# KiCad board UCB_board.kicad_pcb (continued)
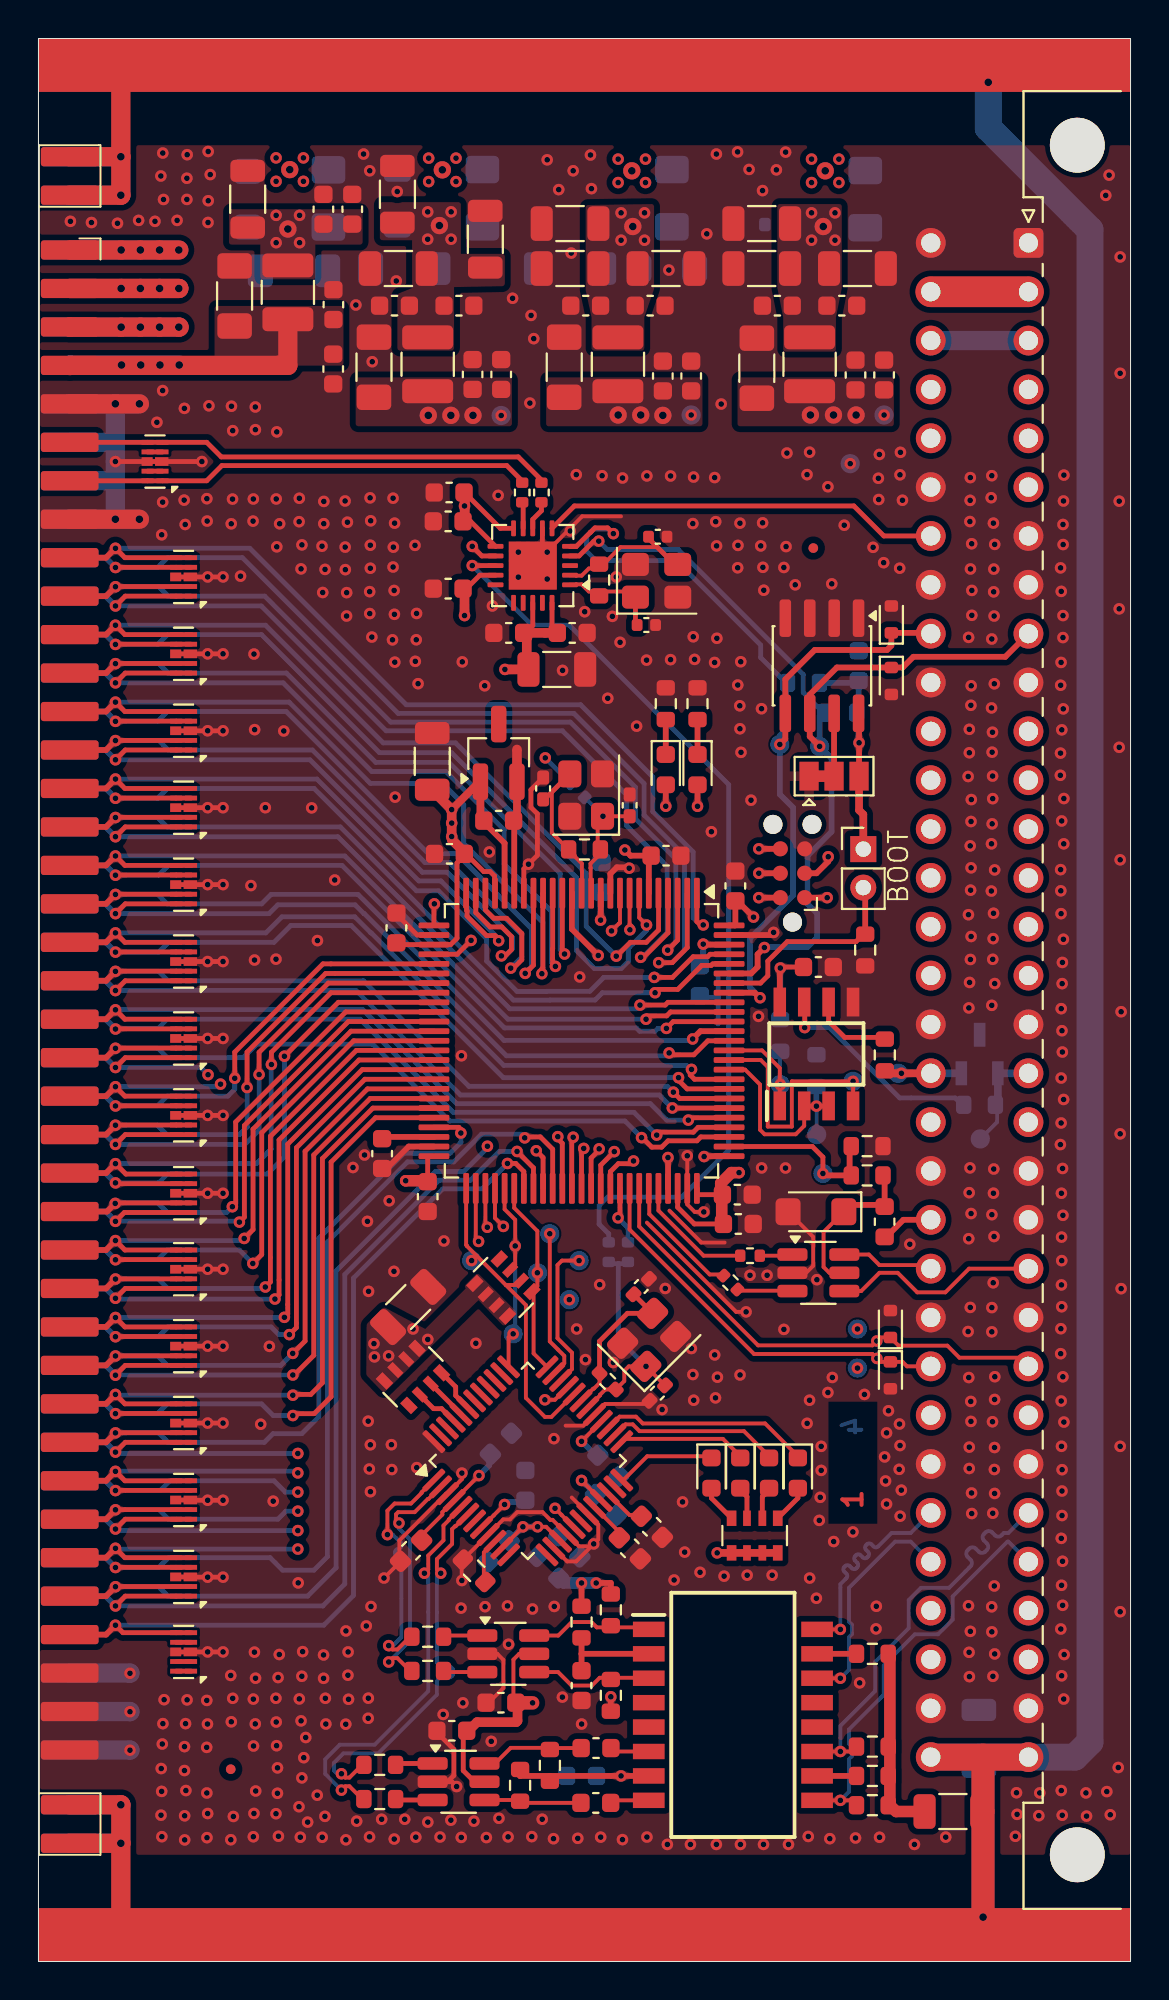
[diagram p0: board, top side]
## Footprints (pads in the part's own frame, mm; a bottom-side part is the same pattern mirrored in y, then rotated)
C_0402_1005Metric
  rrect 0.56x0.62 smd: 1(-0.48,0) 2(0.48,0)
C_0402_1005Metric_Pad0.74x0.62mm_HandSolder
  rrect 0.735x0.62 smd: 1(-0.568,0) 2(0.568,0)
C_0603_1608Metric
  rrect 0.9x0.95 smd: 1(-0.775,0) 2(0.775,0)
C_1206_3216Metric
  rrect 1.15x1.8 smd: 1(-1.475,0) 2(1.475,0)
C_1206_3216Metric_Pad1.33x1.80mm_HandSolder
  rrect 1.325x1.8 smd: 1(-1.562,0) 2(1.562,0)
Crystal_SMD_3225-4Pin_3.2x2.5mm
  rrect 1.4x1.2 smd: 1(-1.1,-0.85) 2(1.1,-0.85) 3(1.1,0.85) 4(-1.1,0.85)
D_MiniMELF
  rrect 1.3x1.7 smd: 1(-1.75,0) 2(1.75,0)
D_SMF
  rrect 1.3x1.4 smd: 1(-1.45,0) 2(1.45,0)
D_SOD-523
  rrect 0.6x0.7 smd: 1(-0.7,0) 2(0.7,0)
DIN41612_C_2x32_Male_Horizontal_THT
  round 2.85 hole 2.85 unplated: (-5.08,2.54) (83.82,2.54)
  rrect 1.55x1.55 hole 1: a1(0,0)
  round 1.55 hole 1: a2(2.54,0) a3(5.08,0) a4(7.62,0) a5(10.16,0) a6(12.7,0) a7(15.24,0) a8(17.78,0) a9(20.32,0) a10(22.86,0) a11(25.4,0) a12(27.94,0) a13(30.48,0) a14(33.02,0) a15(35.56,0) a16(38.1,0) a17(40.64,0) a18(43.18,0) a19(45.72,0) a20(48.26,0) a21(50.8,0) a22(53.34,0) a23(55.88,0) a24(58.42,0) a25(60.96,0) a26(63.5,0) a27(66.04,0) a28(68.58,0) a29(71.12,0) a30(73.66,0) a31(76.2,0) a32(78.74,0) c1(0,-5.08) c2(2.54,-5.08) c3(5.08,-5.08) c4(7.62,-5.08) c5(10.16,-5.08) c6(12.7,-5.08) c7(15.24,-5.08) c8(17.78,-5.08) c9(20.32,-5.08) c10(22.86,-5.08) c11(25.4,-5.08) c12(27.94,-5.08) c13(30.48,-5.08) c14(33.02,-5.08) c15(35.56,-5.08) c16(38.1,-5.08) c17(40.64,-5.08) c18(43.18,-5.08) c19(45.72,-5.08) c20(48.26,-5.08) c21(50.8,-5.08) c22(53.34,-5.08) c23(55.88,-5.08) c24(58.42,-5.08) c25(60.96,-5.08) c26(63.5,-5.08) c27(66.04,-5.08) c28(68.58,-5.08) c29(71.12,-5.08) c30(73.66,-5.08) c31(76.2,-5.08) c32(78.74,-5.08)
Diodes_UDFN-10_1.0x2.5mm_P0.5mm
  rect 0.625x0.25 smd: 1(-0.388,1) 2(-0.388,0.5) 4(-0.388,-0.5) 5(-0.388,-1) 6(0.388,-1) 7(0.388,-0.5) 9(0.388,0.5) 10(0.388,1)
  rect 0.7x0.45 smd: 3(-0.35,0)
  rect 0.575x0.45 smd: 8(0.412,0)
Fiducial_0.5mm_Mask1mm
  round 0.5 smd: (0,0)
Fuse_1206_3216Metric_Pad1.42x1.75mm_HandSolder
  rrect 1.425x1.75 smd: 1(-1.488,0) 2(1.488,0)
L_0603_1608Metric
  rrect 0.875x0.95 smd: 1(-0.787,0) 2(0.787,0)
L_1210_3225Metric
  rrect 1.25x2.65 smd: 1(-1.4,0) 2(1.4,0)
LED_0603_1608Metric
  rrect 0.875x0.95 smd: 1(-0.787,0) 2(0.787,0)
LQFP-48_7x7mm_P0.5mm
  rrect 1.475x0.3 smd: 1(-4.162,2.75) 2(-4.162,2.25) 3(-4.162,1.75) 4(-4.162,1.25) 5(-4.162,0.75) 6(-4.162,0.25) 7(-4.162,-0.25) 8(-4.162,-0.75) 9(-4.162,-1.25) 10(-4.162,-1.75) 11(-4.162,-2.25) 12(-4.162,-2.75) 25(4.162,-2.75) 26(4.162,-2.25) 27(4.162,-1.75) 28(4.162,-1.25) 29(4.162,-0.75) 30(4.162,-0.25) 31(4.162,0.25) 32(4.162,0.75) 33(4.162,1.25) 34(4.162,1.75) 35(4.162,2.25) 36(4.162,2.75)
  rrect 0.3x1.475 smd: 13(-2.75,-4.162) 14(-2.25,-4.162) 15(-1.75,-4.162) 16(-1.25,-4.162) 17(-0.75,-4.162) 18(-0.25,-4.162) 19(0.25,-4.162) 20(0.75,-4.162) 21(1.25,-4.162) 22(1.75,-4.162) 23(2.25,-4.162) 24(2.75,-4.162) 37(2.75,4.162) 38(2.25,4.162) 39(1.75,4.162) 40(1.25,4.162) 41(0.75,4.162) 42(0.25,4.162) 43(-0.25,4.162) 44(-0.75,4.162) 45(-1.25,4.162) 46(-1.75,4.162) 47(-2.25,4.162) 48(-2.75,4.162)
LQFP-100_14x14mm_P0.5mm
  rrect 1.6x0.3 smd: 1(-7.675,6) 2(-7.675,5.5) 3(-7.675,5) 4(-7.675,4.5) 5(-7.675,4) 6(-7.675,3.5) 7(-7.675,3) 8(-7.675,2.5) 9(-7.675,2) 10(-7.675,1.5) 11(-7.675,1) 12(-7.675,0.5) 13(-7.675,0) 14(-7.675,-0.5) 15(-7.675,-1) 16(-7.675,-1.5) 17(-7.675,-2) 18(-7.675,-2.5) 19(-7.675,-3) 20(-7.675,-3.5) 21(-7.675,-4) 22(-7.675,-4.5) 23(-7.675,-5) 24(-7.675,-5.5) 25(-7.675,-6) 51(7.675,-6) 52(7.675,-5.5) 53(7.675,-5) 54(7.675,-4.5) 55(7.675,-4) 56(7.675,-3.5) 57(7.675,-3) 58(7.675,-2.5) 59(7.675,-2) 60(7.675,-1.5) 61(7.675,-1) 62(7.675,-0.5) 63(7.675,0) 64(7.675,0.5) 65(7.675,1) 66(7.675,1.5) 67(7.675,2) 68(7.675,2.5) 69(7.675,3) 70(7.675,3.5) 71(7.675,4) 72(7.675,4.5) 73(7.675,5) 74(7.675,5.5) 75(7.675,6)
  rrect 0.3x1.6 smd: 26(-6,-7.675) 27(-5.5,-7.675) 28(-5,-7.675) 29(-4.5,-7.675) 30(-4,-7.675) 31(-3.5,-7.675) 32(-3,-7.675) 33(-2.5,-7.675) 34(-2,-7.675) 35(-1.5,-7.675) 36(-1,-7.675) 37(-0.5,-7.675) 38(0,-7.675) 39(0.5,-7.675) 40(1,-7.675) 41(1.5,-7.675) 42(2,-7.675) 43(2.5,-7.675) 44(3,-7.675) 45(3.5,-7.675) 46(4,-7.675) 47(4.5,-7.675) 48(5,-7.675) 49(5.5,-7.675) 50(6,-7.675) 76(6,7.675) 77(5.5,7.675) 78(5,7.675) 79(4.5,7.675) 80(4,7.675) 81(3.5,7.675) 82(3,7.675) 83(2.5,7.675) 84(2,7.675) 85(1.5,7.675) 86(1,7.675) 87(0.5,7.675) 88(0,7.675) 89(-0.5,7.675) 90(-1,7.675) 91(-1.5,7.675) 92(-2,7.675) 93(-2.5,7.675) 94(-3,7.675) 95(-3.5,7.675) 96(-4,7.675) 97(-4.5,7.675) 98(-5,7.675) 99(-5.5,7.675) 100(-6,7.675)
NetTie-2_SMD_Pad0.5mm
  round 0.5 smd: 1(-0.5,0) 2(0.5,0)
PinHeader_1x02_P2.00mm_Vertical
  rect 1.35x1.35 hole 0.8: 1(0,0)
  round 1.35 hole 0.8: 2(0,-2)
QFN-20-1EP_4x4mm_P0.5mm_EP2.5x2.5mm
  rrect 1.01x1.01 smd: (-0.625,0.625) (-0.625,-0.625) (0.625,0.625) (0.625,-0.625)
  rrect 0.825x0.25 smd: 1(-1.938,1) 2(-1.938,0.5) 3(-1.938,0) 4(-1.938,-0.5) 5(-1.938,-1) 11(1.938,-1) 12(1.938,-0.5) 13(1.938,0) 14(1.938,0.5) 15(1.938,1)
  rrect 0.25x0.825 smd: 6(-1,-1.938) 7(-0.5,-1.938) 8(0,-1.938) 9(0.5,-1.938) 10(1,-1.938) 16(1,1.938) 17(0.5,1.938) 18(0,1.938) 19(-0.5,1.938) 20(-1,1.938)
  rect 2.5x2.5 smd: 21(0,0)
R_0402_1005Metric
  rrect 0.54x0.64 smd: 1(-0.51,0) 2(0.51,0)
R_0402_1005Metric_Pad0.72x0.64mm_HandSolder
  rrect 0.715x0.64 smd: 1(-0.598,0) 2(0.598,0)
R_0603_1608Metric
  rrect 0.8x0.95 smd: 1(-0.825,0) 2(0.825,0)
R_Array_Convex_4x0603
  rect 0.8x0.5 smd: 1(-0.9,1.2) 4(-0.9,-1.2) 5(0.9,-1.2) 8(0.9,1.2)
  rect 0.8x0.4 smd: 2(-0.9,0.4) 3(-0.9,-0.4) 6(0.9,-0.4) 7(0.9,0.4)
SOIC127P600X175-8N
  rect 1.5x0.65 smd: 1(-2.7,1.905) 2(-2.7,0.635) 3(-2.7,-0.635) 4(-2.7,-1.905) 5(2.7,-1.905) 6(2.7,-0.635) 7(2.7,0.635) 8(2.7,1.905)
SOIC127P940X597-16N
  rect 1.645x0.8 smd: 1(-4.378,4.445) 2(-4.378,3.175) 3(-4.378,1.905) 4(-4.378,0.635) 5(-4.378,-0.635) 6(-4.378,-1.905) 7(-4.378,-3.175) 8(-4.378,-4.445) 9(4.378,-4.445) 10(4.378,-3.175) 11(4.378,-1.905) 12(4.378,-0.635) 13(4.378,0.635) 14(4.378,1.905) 15(4.378,3.175) 16(4.378,4.445)
SOIC-8_3.9x4.9mm_P1.27mm
  rrect 1.95x0.6 smd: 1(-2.475,1.905) 2(-2.475,0.635) 3(-2.475,-0.635) 4(-2.475,-1.905) 5(2.475,-1.905) 6(2.475,-0.635) 7(2.475,0.635) 8(2.475,1.905)
SolderJumper-3_P1.3mm_Bridged12_Pad1.0x1.5mm
  rect 1x1.5 smd: 1(-1.3,0) 2(0,0) 3(1.3,0)
SOT95P230X117-3N
  rect 1.25x0.6 smd: 1(-1,0.95) 2(-1,-0.95) 3(1,0)
SOT-23-6_Handsoldering
  rrect 1.56x0.65 smd: 1(-1.35,0.95) 2(-1.35,0) 3(-1.35,-0.95) 4(1.35,-0.95) 5(1.35,0) 6(1.35,0.95)
SOT-23_Handsoldering
  rrect 1.9x0.8 smd: 1(-1.5,0.95) 2(-1.5,-0.95) 3(1.5,0)
Tag-Connect_TC2030-IDC-NL_2x03_P1.27mm_Vertical
  round 0.991 hole 0.991 unplated: (-2.54,0) (2.54,1.016) (2.54,-1.016)
  round 0.787 smd: 1(-1.27,-0.635) 2(-1.27,0.635) 3(0,-0.635) 4(0,0.635) 5(1.27,-0.635) 6(1.27,0.635)
TestPoint_Pad_D1.0mm
  round 1 smd: 1(0,0)
UniConnector
  rrect 3x1 smd: 1(1.5,39) 3(1.5,37) 5(1.5,35) 7(1.5,33) 9(1.5,31) 11(1.5,29) 13(1.5,27) 15(1.5,25) 17(1.5,23) 19(1.5,21) 21(1.5,19) 23(1.5,17) 25(1.5,15) 27(1.5,13) 29(1.5,11) 31(1.5,9) 33(1.5,7) 35(1.5,5) 37(1.5,3) 39(1.5,1) 41(1.5,-1) 43(1.5,-3) 45(1.5,-5) 47(1.5,-7) 49(1.5,-9) 51(1.5,-11) 53(1.5,-13) 55(1.5,-15) 57(1.5,-17) 59(1.5,-19) 61(1.5,-21) 63(1.5,-23) 65(1.5,-25) 67(1.5,-27) 69(1.5,-29) 71(1.5,-31) 73(1.5,-33) 75(1.5,-35) 77(1.5,-37) 79(1.5,-39) EARTH(1.5,43.85) EARTH(1.5,41.85) EARTH(1.5,-41.85) EARTH(1.5,-43.85)
  rrect 3x1 smd far side: 2(1.5,39) 4(1.5,37) 6(1.5,35) 8(1.5,33) 10(1.5,31) 12(1.5,29) 14(1.5,27) 16(1.5,25) 18(1.5,23) 20(1.5,21) 22(1.5,19) 24(1.5,17) 26(1.5,15) 28(1.5,13) 30(1.5,11) 32(1.5,9) 34(1.5,7) 36(1.5,5) 38(1.5,3) 40(1.5,1) 42(1.5,-1) 44(1.5,-3) 46(1.5,-5) 48(1.5,-7) 50(1.5,-9) 52(1.5,-11) 54(1.5,-13) 56(1.5,-15) 58(1.5,-17) 60(1.5,-19) 62(1.5,-21) 64(1.5,-23) 66(1.5,-25) 68(1.5,-27) 70(1.5,-29) 72(1.5,-31) 74(1.5,-33) 76(1.5,-35) 78(1.5,-37) 80(1.5,-39) EARTH(1.5,43.85) EARTH(1.5,41.85) EARTH(1.5,-41.85) EARTH(1.5,-43.85)

## Nets
+3.3V: C11.2 C12.2 C13.2 C14.2 C15.2 C16.2 C17.2 C18.1 C27.2 C29.2 C35.2 C39.1 C41.1 C42.1 C44.1 C49.2 C50.2 C51.1 C52.1 C53.2 C54.2 C55.2 C58.2 C61.2 C62.1 C63.2 C64.2 C65.2 C66.2 FB1.1 IC1.8 J2.1 J3.1 JP1.3 L3.1 R84.2 R85.2 R91.2 RN1.5 RN1.6 RN1.7 RN1.8 RN2.5 RN2.6 RN2.7 RN2.8 RN3.1 RN3.2 RN3.3 RN3.4 TP21.1 U1.4 U1.8 U1.11 U1.15 U1.17 U1.21 U1.28 U2.1 U6.8 U7.6 U7.11 U7.21 U7.22 U7.28 U7.50 U7.73 U7.75 U7.100 X1.5 X1.6 Y3.10 Y3.11 Y3.14 Y3.18 Y3.20
+5V: C37.1 C38.1 C40.1 L2.1 TP9.1 X1.3 X1.4
+12V: C23.1 C24.1 C25.1 L1.1 TP10.1 X1.1 X1.2
-12V: C70.1 C71.1 C72.1 L4.1 X1.7 X1.8
/ConnectorDIN41612/PSU/+5V_IN: F1.2 J1.a4 J1.c4
/ConnectorDIN41612/PSU/+5VSB_IN: J1.a6
/ConnectorDIN41612/PSU/+12V_IN: F3.2 J1.a2 J1.c2
/ConnectorDIN41612/PSU/-12V_IN: F4.2 J1.a3 J1.c3
GND: C1.2 C2.2 C3.2 C4.1 C6.2 C7.2 C8.2 C9.2 C10.1 C11.1 C12.1 C13.1 C14.1 C15.1 C16.1 C17.1 C18.2 C19.2 C20.2 C21.2 C22.2 C23.2 C24.2 C25.2 C26.2 C27.1 C28.2 C29.1 C30.2 C31.2 C32.2 C33.2 C34.2 C35.1 C36.2 C37.2 C38.2 C39.2 C40.2 C41.2 C42.2 C43.2 C44.2 C45.2 C46.2 C47.2 C48.2 C49.1 C50.1 C51.2 C52.2 C53.1 C54.1 C55.1 C56.1 C57.1 C59.2 C60.2 C61.1 C62.2 C63.1 C64.1 C65.1 C66.1 C67.2 C68.2 C69.2 C70.2 C71.2 C72.2 D3.2 D5.2 D7.2 D8.1 D9.2 D10.2 D11.1 D12.2 D15.3 D16.2 D17.2 D18.1 D19.1 D20.3 D20.8 D21.3 D21.8 D22.3 D22.8 D23.3 D23.8 D24.3 D24.8 D25.3 D25.8 D26.3 D26.8 D27.3 D27.8 D28.3 D28.8 D29.3 D29.8 D30.3 D30.8 D31.3 D31.8 D32.3 D32.8 D33.3 D33.8 D34.3 D34.8 D35.3 D35.8 IC1.5 J1.a1 J1.a7 J1.a8 J1.a10 J1.a17 J1.a20 J1.a21 J1.a23 J1.a26 J1.a31 J1.c1 J1.c6 J1.c8 J1.c10 J1.c17 J1.c20 J1.c23 J1.c26 J1.c31 J2.5 JP1.1 NT1.1 R4.1 R19.2 R21.1 R86.2 R87.2 R90.1 TP22.1 U1.3 U1.9 U1.14 U1.16 U1.19 U1.29 U1.48 U3.2 U4.2 U5.2 U6.1 U6.2 U6.3 U6.4 U7.10 U7.19 U7.27 U7.49 U7.74 U7.99 X1.9 X1.10 X1.12 X1.14 X1.15 X1.16 X1.74 X1.75 X1.76 X1.77 X1.78 X1.79 X1.80 Y1.2 Y1.4 Y2.2 Y2.4 Y3.7 Y3.21 Y4.2 Y4.4
/Clock/CLK0: R23.2 Y3.13
/Clock/CLK1: R24.2 Y3.12
/Clock/CLK2: R25.2 Y3.9
/Clock/CLK3: R26.2 Y3.8
/Clock/CLK4: Y3.19
/Clock/CLK5: Y3.17
/Clock/CLK6: Y3.16
/Clock/CLK7: Y3.15
/Clock/CLK_IN: J1.c7 Y3.6
/Clock/INT: Y3.3
/Clock/X+: C59.1 R22.1 Y3.1 Y4.1
/Clock/X-: C60.1 R22.2 Y3.2 Y4.3
/ConnectorDIN41612/D+: J1.c22 U3.6
/ConnectorDIN41612/D-: J1.a22 U3.4
/ConnectorDIN41612/DE: IC1.2 IC1.3 R90.2 TP2.1 U7.85
/ConnectorDIN41612/ETH_RD+: R17.2 U5.1
/ConnectorDIN41612/ETH_RD-: R16.2 U5.3
/ConnectorDIN41612/ETH_TD+: R15.2 U4.3
/ConnectorDIN41612/ETH_TD-: R14.2 U4.1
/ConnectorDIN41612/PSU/+3,3V_IN: F2.2 J1.a5 J1.c5
/ConnectorDIN41612/RD+: C73.2 R8.1 U5.6
/ConnectorDIN41612/RD-: C74.2 R9.1 U5.4
/ConnectorDIN41612/RS485+: D15.2 J1.c18 R89.2 TP20.1
/ConnectorDIN41612/RS485-: D15.1 J1.a18 R88.2 TP19.1
/ConnectorDIN41612/RS485_N: IC1.7 R88.1
/ConnectorDIN41612/RS485_P: IC1.6 R89.1
/ConnectorDIN41612/RX+: J1.a27 R12.1 T1.11
/ConnectorDIN41612/RX-: J1.a28 R13.1 T1.9
/ConnectorDIN41612/RxD: IC1.1 R91.1 TP4.1 U7.87
/ConnectorDIN41612/TD+: R10.2 T1.1 U4.6
/ConnectorDIN41612/TD-: R11.2 T1.3 U4.4
/ConnectorDIN41612/TX+: J1.c27 T1.16
/ConnectorDIN41612/TX-: J1.c28 T1.14
/ConnectorDIN41612/TxD: IC1.4 TP3.1 U7.86
/ConnectorDIN41612/USART+: D3.1 J1.c24 TP5.1 U7.68
/ConnectorDIN41612/USART-: D5.1 J1.a24 TP6.1 U7.69
/ConnectorDIN41612/USB_D+: R1.1 U7.71
/ConnectorDIN41612/USB_D-: R2.1 U7.70
/ConnectorDIN41612/USB_DET: R3.1 R4.2 TP1.1 U7.77
/ConnectorDIN41612/USB_DN: R2.2 U3.3
/ConnectorDIN41612/USB_DP: R1.2 U3.1
/ConnectorDIN41612/VUSB: FB2.2 J1.c21
/EthernetPHY/ACT: D6.1 U1.27
/EthernetPHY/CS: RN3.6 TP13.1 U1.32 U7.51
/EthernetPHY/DUPLEX: D4.1 U1.26
/EthernetPHY/INT: RN3.5 TP14.1 U1.36 U7.56
/EthernetPHY/LINK: D2.1 U1.25
/EthernetPHY/MISO: TP15.1 U1.34 U7.53
/EthernetPHY/MOSI: TP16.1 U1.35 U7.54
/EthernetPHY/RST: RN3.7 TP17.1 U1.37 U7.55
/EthernetPHY/RXN: R16.1 U1.5
/EthernetPHY/RXP: R17.1 U1.6
/EthernetPHY/SCK: TP18.1 U1.33 U7.52
/EthernetPHY/SPEED: D1.1 U1.24
/EthernetPHY/TXN: R14.1 U1.1
/EthernetPHY/TXP: R15.1 U1.2
/EthernetPHY/XO+: C6.1 R18.1 R23.1 R80.2 TP12.1 U1.30 Y2.1
/EthernetPHY/XO-: C8.1 R18.2 U1.31 Y2.3
/MCU/BOOT: J3.2 R21.2 U7.94
/MCU/IO_1: D20.5 D20.6 U7.1 X1.17
/MCU/IO_2: D20.4 D20.7 U7.2 X1.18
/MCU/IO_3: D20.2 D20.9 U7.3 X1.19
/MCU/IO_4: D20.1 D20.10 U7.4 X1.20
/MCU/IO_5: D21.5 D21.6 U7.5 X1.21
/MCU/IO_6: D21.4 D21.7 U7.7 X1.22
/MCU/IO_7: D21.2 D21.9 U7.15 X1.23
/MCU/IO_8: D21.1 D21.10 U7.16 X1.24
/MCU/IO_9: D22.5 D22.6 U7.17 X1.25
/MCU/IO_10: D22.4 D22.7 U7.18 X1.26
/MCU/IO_11: D22.2 D22.9 U7.23 X1.27
/MCU/IO_12: D22.1 D22.10 U7.24 X1.28
/MCU/IO_13: D23.5 D23.6 U7.25 X1.29
/MCU/IO_14: D23.4 D23.7 U7.97 X1.30
/MCU/IO_15: D23.2 D23.9 U7.96 X1.31
/MCU/IO_16: D23.1 D23.10 U7.92 X1.32
/MCU/IO_17: D24.5 D24.6 U7.91 X1.33
/MCU/IO_18: D24.4 D24.7 U7.90 X1.34
/MCU/IO_19: D24.2 D24.9 J2.4 U7.89 X1.35
/MCU/IO_20: D24.1 D24.10 U7.88 X1.36
/MCU/IO_21: D25.5 D25.6 U7.84 X1.37
/MCU/IO_22: D25.4 D25.7 U7.83 X1.38
/MCU/IO_23: D25.2 D25.9 U7.82 X1.39
/MCU/IO_24: D25.1 D25.10 U7.81 X1.40
/MCU/IO_25: D26.5 D26.6 U7.80 X1.41
/MCU/IO_26: D26.4 D26.7 U7.79 X1.42
/MCU/IO_27: D26.2 D26.9 U7.78 X1.43
/MCU/IO_28: D26.1 D26.10 U7.26 X1.44
/MCU/IO_29: D27.5 D27.6 U7.29 X1.45
/MCU/IO_30: D27.4 D27.7 U7.30 X1.46
/MCU/IO_31: D27.2 D27.9 U7.31 X1.47
/MCU/IO_32: D27.1 D27.10 U7.32 X1.48
/MCU/IO_33: D28.5 D28.6 U7.33 X1.49
/MCU/IO_34: D28.4 D28.7 U7.34 X1.50
/MCU/IO_35: D28.2 D28.9 U7.35 X1.51
/MCU/IO_36: D28.1 D28.10 U7.36 X1.52
/MCU/IO_37: D29.5 D29.6 U7.37 X1.53
/MCU/IO_38: D29.4 D29.7 U7.38 X1.54
/MCU/IO_39: D29.2 D29.9 U7.39 X1.55
/MCU/IO_40: D29.1 D29.10 U7.40 X1.56
/MCU/IO_41: D30.5 D30.6 U7.41 X1.57
/MCU/IO_42: D30.4 D30.7 U7.42 X1.58
/MCU/IO_43: D30.2 D30.9 U7.43 X1.59
/MCU/IO_44: D30.1 D30.10 U7.44 X1.60
/MCU/IO_45: D31.5 D31.6 U7.45 X1.61
/MCU/IO_46: D31.4 D31.7 U7.46 X1.62
/MCU/IO_47: D31.2 D31.9 U7.47 X1.63
/MCU/IO_48: D31.1 D31.10 U7.66 X1.64
/MCU/IO_49: D32.5 D32.6 U7.65 X1.65
/MCU/IO_50: D32.4 D32.7 U7.64 X1.66
/MCU/IO_51: D32.2 D32.9 U7.63 X1.67
/MCU/IO_52: D32.1 D32.10 U7.62 X1.68
/MCU/IO_53: D33.5 D33.6 U7.61 X1.69
/MCU/IO_54: D33.4 D33.7 U7.60 X1.70
/MCU/IO_55: D33.2 D33.9 U7.59 X1.71
/MCU/IO_56: D33.1 D33.10 U7.58 X1.72
/MCU/IO_57: D34.5 D34.6 U7.57 X1.73
/MCU/LED_G: D14.2 U7.8
/MCU/LED_R: D13.2 U7.9
/MCU/nRESET: J2.3 U7.14
/MCU/SCL: D17.1 J1.a9 R85.1 TP8.1 U6.6 U7.95 Y3.4
/MCU/SDA: D16.1 J1.c9 R84.1 TP7.1 U6.5 U7.93 Y3.5
/MCU/SWCLK: J2.6 U7.76
/MCU/SWDIO: J2.2 U7.72
/MCU/XTAL+: C19.1 R20.1 R24.1 U7.12 Y1.1
/MCU/XTAL-: C20.1 R20.2 U7.13 Y1.3
/UniConnector/CLK_IN1: D35.1 D35.10 R25.1 X1.13
/UniConnector/CLK_IN2: D35.5 D35.6 R26.1 X1.11
Earth: C3.1 C5.2 J1.a32 J1.c32 X1.EARTH
Net-(C5-Pad1): C5.1 R6.2 R7.2 R12.2 R13.2
Net-(C56-Pad2): C56.2 U7.98
Net-(C57-Pad2): C57.2 U7.48
Net-(D1-A): D1.2 RN1.4
Net-(D2-A): D2.2 RN1.3
Net-(D4-A): D4.2 RN1.2
Net-(D6-A): D6.2 RN1.1
Net-(D7-A1): D7.1 FB2.1 R3.2 U3.5
Net-(D8-A2): C26.1 C33.1 C34.1 C36.1 C43.1 D8.2 D9.1 F3.1 L1.2
Net-(D10-K): C22.1 C45.1 C46.1 C47.1 C48.1 D10.1 F2.1 L3.2
Net-(D11-A2): C21.1 C28.1 C30.1 C31.1 C32.1 D11.2 D12.1 F1.1 L2.2
Net-(D13-K): D13.1 R86.1
Net-(D14-K): D14.1 R87.1
Net-(D18-A2): C67.1 C68.1 C69.1 D18.2 D19.2 F4.1 L4.2
Net-(D35-Pad2): D35.2 D35.9
Net-(D35-Pad4): D35.4 D35.7
Net-(JP1-C): JP1.2 U6.7
Net-(RN2-R2.1): RN2.2 U1.45
Net-(RN2-R3.1): RN2.3 U1.44
Net-(RN2-R4.1): RN2.4 U1.43
Net-(T1-CT_1): C4.2 R5.2 T1.2
Net-(T1-CT_2): C7.1 R8.2 R9.2 T1.7
Net-(T1-NC_3): R6.1 T1.10
Net-(T1-NC_6): R7.1 T1.15
Net-(T1-RD+): C73.1 T1.6
Net-(T1-RD-): C74.1 T1.8
Net-(U1-1V2O): C10.2 U1.22
Net-(U1-EXRES1): R19.1 U1.10
Net-(U1-TOCAP): C9.1 U1.20
Net-(U2-A): C58.1 NT1.2 U2.2 U7.20
Net-(U4-VBUS): C1.1 C2.1 FB1.2 R5.1 R10.1 R11.1 U4.5 U5.5
Net-(U7-PA8): R80.1 U7.67

Pads without a net: D34 1 2 4 7 9 10; J1 a11 a12 a13 a14 a15 a16 a19 a25 a29 a30 c11 c12 c13 c14 c15 c16 c19 c25 c29 c30; RN2 1; RN3 8; T1 4 5 12 13; U1 7 12 13 18 23 38 39 40 41 42 46 47; U2 3

## Via types
v1: diameter 0.6, hole 0.3, Top to Bottom, 820 vias
v2: diameter 0.9, hole 0.4, Top to Bottom, 43 vias

## Routing (per net, layer and track width the routed paths; a pad name or vN(x,y) marks a point on that pad's centre or on a via; arc(x,y) is an arc through that point)
+3.3V: length 281.9
  Top w0.2: v1(28.25,27.05) 29.28,28.08 U1.28 ; v1(22.91,25.27) 21.62,23.99 U1.4 21.61,23.98 21.01,23.37 21.01,23.24 19.96,22.2 19.96,22 19.99,21.97 ; U1.21 29.28,23.99 v1(28.25,25.02) ; U1.11 24.1,21.51 v1(25.2,22.61) v1(25.96,22.61) 26.41,22.61 U1.15 ; U1.17 27.21,23.22 27.21,23.23 v1(26.87,23.57) ; U1.8 23.67,23.2 v1(24.24,23.77)
  Top w0.25: Y3.10 24.02,74.53 22.22,76.33 22.22,76.39 ; 20.24,40.64 20.24,41.86 20.55,41.86 U7.50 ; 35.54,38.35 34.11,38.35 33.25,39.22 U7.73 ; Y3.11 22.47,74.89 22.17,74.89 ; 25.32,69.09 25.71,69.48 Y3.18 ; Y3.14 22.96,72.09 22.26,71.39 22.17,71.39 ; U7.22 23.75,56.09 23.72,56.12 23.72,56.45 23.49,56.68 23.16,56.68 22.24,57.6 21.77,57.13 21.77,53.21 21.44,52.88 U7.28 18.62,52.88 18.62,52.88 ; Y3.20 26.71,69.28 26.9,69.09 ; 39.7,51.71 38.63,51.71 v1(38.58,51.66) ; 35.49,39.88 34.26,39.88 34.26,40.18 U7.75
  Top w0.3: v1(30.5,57.8) 30.79,57.51 31.78,57.51 31.75,57.47 U7.6 ; 38.56,49.91 38.56,51.64 v1(38.58,51.66) ; 23.07,59.33 24.25,58.16 U7.21 ; U6.8 42.68,64.88 v1(42.68,63.38) JP1.3 ; 22.25,57.61 22.24,57.6 ; v1(29.24,54.15) 29.25,54.16 U7.11 ; 35.54,39.83 35.49,39.88 ; J2.1 v1(41.02,55.32) ; v1(37.19,54.31) 36.43,55.07 36.25,55.07 36.25,53.9 36.23,53.88 U7.100
  Top w0.4: v1(21.49,59.9) 22.94,61.35 U2.1 22.99,59.41 23.07,59.33 ; v1(35.3,21.25) RN1.5 RN1.6 RN1.7 RN1.8 ; J3.1 42.9,59.65 42.68,59.87 JP1.3
  Top w0.5: v1(22.16,75.69) 22.17,75.7 22.17,76.34 ; 22.24,57.6 21.49,58.35 v1(21.49,58.5) v1(21.49,59.2) v1(21.49,59.9) 20.54,60.85 20.48,60.85 20.85,60.85 ; 22.17,76.34 22.17,74.89 ; 22.17,76.34 22.22,76.39 ; 26.9,69.09 25.32,69.09 25.4,69.02 25.4,67.19 v1(24.26,67.19) ; v1(22.16,69.99) 22.16,71.38 22.17,71.39
  Top w0.6: 35.54,38.35 35.54,39.83 ; v1(36.44,41.02) 36.04,41.02 35.49,40.47 35.49,39.88 ; v1(19.1,40.6) 20.21,40.6 20.24,40.64
  Top w1: X1.5 1.63,84.99 v2(4.3,84.99) v2(5.3,84.99) v2(6.3,84.99) v2(7.3,84.99) 7.32,84.99
  In2.Cu w0.3: 42.9,57.76 J3.1 ; v1(41.02,55.32) 41.02,55.42
  In2.Cu w0.4: v1(28.25,25.02) 30.88,22.39 34.16,22.39 v1(35.3,21.25)
  In2.Cu w0.5: v1(22.16,75.69) 22.16,78 ; v1(24.26,67.19) 24.26,67.29 22.16,69.39 v1(22.16,69.99) 20.86,69.99
  In2.Cu w0.6: 29.65,57.2 29.24,56.79 v1(29.24,54.15) ; 36.5,41.09 v1(36.44,41.02) ; 19.5,32.91 v1(19.48,32.89) ; v1(37.19,54.31) 37.59,54.31 38.6,55.32 v1(41.02,55.32) ; 42.9,57.94 J3.1
  In2.Cu w0.8: v1(21.49,59.9) 21.49,58.99 21.47,58.98
  In2.Cu w1: 20.86,78 20.86,66.49 21.49,65.86 v1(21.49,58.5) ; 20.86,78 16.55,78 9.56,84.99 v2(4.3,84.99) ; 20.86,78 22.9,78 22.91,77.99 26.49,77.99 27.67,79.18 35.88,79.18 37.12,80.42 v2(40.15,80.42) v2(41.35,80.42) v2(42.52,80.42) v1(43.98,80.42) ; 19.5,32.91 19.5,40.2 ; 19.5,40.2 v1(19.1,40.6) ; 19.5,40.2 25.66,40.2 26.61,39.25 27.9,39.25 30.25,36.9 35,36.9 36.44,38.34 v1(36.44,41.02) 36.44,46.49 38.58,48.63 v1(38.58,51.66) 38.86,51.66 41.02,53.82 v1(41.02,55.32) 41.02,55.91 42.9,57.79 42.9,58.7 ; 42.9,58.7 39.9,61.7 32.55,61.7 31.4,60.55 31.4,58.94 29.66,57.2 28.69,57.2 26.92,58.98 21.47,58.98 ; 42.9,58.7 J3.1
  Bottom w0.3: v1(28.25,27.05) 28.91,26.39 29.03,26.39 ; 40.7,66.49 42.63,66.49 42.66,66.52 42.66,64.96 42.64,64.94 42.64,63.41 v1(42.68,63.38) ; 28.91,24.36 v1(28.25,25.02) ; 25.58,23.9 24.38,23.9 v1(24.24,23.77) ; v1(29.24,54.15) 29.24,55.47 29.29,55.52 ; 23.44,26.31 23.44,25.81 v1(22.91,25.27) ; v1(38.58,51.66) 38.58,49.07 ; v1(25.96,22.61) v1(25.2,22.61) 24.54,21.95
  Bottom w1: X1.5 1.63,84.99 v2(7.3,84.99)
  vias: v1(17.45,32.13) v1(17.47,31.44) v1(18.21,31.5) v1(20.25,32.35)
+5V: length 50.4
  Top w1: v2(5.3,87) v2(4.3,87) X1.3 v2(7.3,87) v2(6.3,87) v2(5.3,87)
  In2.Cu w1: v1(33.95,80.42) 32.49,80.42 v2(32.47,80.4) 32.46,80.42 v2(31.32,80.42) v2(30.15,80.42) 27.22,80.42 25.99,79.19 23.41,79.19 23.4,79.2 17.1,79.2 9.3,87 v2(4.3,87)
  Bottom w1: v2(7.3,87) X1.3
+12V: length 34.7
  Top w1: X1.1 v2(4.3,89) v2(5.3,89) v2(6.3,89) v2(7.3,89)
  In2.Cu w1: v2(4.3,89) 9,89 17.6,80.4 v2(20.27,80.4) v2(21.45,80.4) v2(22.6,80.4) 23.9,80.4 23.91,80.39 v1(24.07,80.39)
  Bottom w1: v2(7.3,89) X1.1
-12V: length 19.5
  Top w1: L4.1 12.97,83 12.47,83 12.47,83 X1.7 1.63,82.99
  Bottom w1: X1.7 1.64,83.02 v2(7.32,83.02)
  vias: v2(4.32,83.02) v2(5.32,83.02) v2(6.32,83.02)
/ConnectorDIN41612/PSU/+5V_IN: length 37.8
  In2.Cu w1.6: v2(30.86,93.12) 33.91,93.12 38.82,88.21 42.26,88.21 45.32,91.27 47.64,91.27 48.95,89.97 48.95,81.75 J1.c4 J1.a4
  vias: v1(30.15,93.73) v1(30.15,92.51) v1(31.57,93.73) v1(31.57,92.51)
/ConnectorDIN41612/PSU/+12V_IN: length 35.9
  Top w1.6: J1.c2 J1.a2
  In2.Cu w1.6: J1.c2 44.49,86.83 43.18,85.52 29.06,85.52 24.82,89.76 24.82,92.61 24.26,93.17 v2(21.01,93.17)
  vias: v1(20.29,93.78) v1(20.29,92.56) v1(21.72,93.78) v1(21.72,92.56)
/ConnectorDIN41612/PSU/-12V_IN: length 43.4
  In2.Cu w1.6: J1.c3 45.46,84.29 43.86,82.69 25.27,82.69 14.78,93.18 v2(13.07,93.18)
  Bottom w1: J1.a3 J1.c3
  vias: v1(12.36,93.79) v1(12.36,92.57) v1(13.78,93.79) v1(13.78,92.57)
GND: length 159.6
  Top w0.2: 31.65,38.42 36.29,33.78 v1(36.8,33.78) ; v1(33.75,41.9) 33.75,42.07 U7.74 33.75,39.37 34.14,38.98 v1(34.61,38.98) ; C6.2 31.63,28.99 29.47,28.99 U1.29 28.34,27.87 27.42,27.87 ; v1(22.02,19.81) 22.01,19.82 22.01,20.97 22.15,20.97 U1.9 24.17,22.99 24.52,22.99 24.9,23.37 26.22,23.37 26.62,22.97 26.74,22.97 27.5,22.21 U1.16 27.51,22.2 28.12,21.59 28.75,21.59 v1(28.88,21.72) ; v1(22.02,25.4) 22.02,25.08 U1.3 21.21,24.33 18.77,21.89 18.77,20.74 v1(17.97,19.94) ; v1(28.88,21.72) 27.97,20.81 27.5,20.81 U1.14 ; v1(28.88,21.72) 29.12,21.95 29.12,22.72 U1.19 28.57,23.3 27.74,24.13 ; 23.08,16 23.86,16 24.18,15.69 24.18,14.22 23.42,13.46 23.19,13.46 ; U3.2 39.93,35.81 40.29,36.18 40.29,37.68 D7.2 ; v1(26.46,73.29) 26.46,73.33 28.28,75.15 30.3,75.15 ; 32.82,39.04 34.48,37.39 35.69,37.39 ; 27.64,59.46 Y1.4
  Top w0.25: v1(9.6,16.1) v1(8.8,16.1) D34.3 D34.8 ; D25.8 D25.3 v1(8.8,52) v1(9.6,52) ; v1(9.6,68) v1(8.8,68) D21.3 D21.8 ; D24.8 D24.3 v1(8.8,56) v1(9.6,56) ; D23.8 D23.3 v1(8.8,60) v1(9.6,60) ; D26.8 D26.3 v1(8.8,48) v1(9.6,48) ; v1(9.6,44) v1(8.8,44) D27.3 D27.8 ; U7.27 19.7,53.38 18.62,54.46 18.62,54.61 ; v1(21.75,9.1) 21.5,9.35 U5.2 21.28,9.35 21.61,9.68 21.61,11.03 20.64,12 ; v1(8.5,78) D35.3 D35.8 v1(4,78) ; Y3.7 26.21,73.09 Y3.21 ; D32.3 D32.8 ; U7.19 25.25,56.82 v1(25.49,57.06) 25.95,57.53 25.95,59.68 25.61,60.02 25.61,60.93 C20.2 ; D29.8 D29.3 v1(8.8,36) v1(9.6,36) ; v1(9.6,39.95) v1(8.8,39.95) D28.3 D28.8 ; D22.8 D22.3 v1(8.8,64) v1(9.6,64) ; v1(9.6,19.99) v1(8.8,19.99) 7.9,19.99 ; v1(9.6,28) v1(8.8,28) D31.3 D31.8 ; D20.8 D20.3 v1(8.8,72) v1(9.6,72) ; v1(9.6,32) v1(8.8,32) D30.3 D30.8 ; v1(9.6,23.99) v1(8.8,23.99) 7.9,23.99 ; D33.3 D33.8
  Top w0.3: U7.49 19.25,42.38 18.02,41.15 17.88,41.15 ; v1(38.24,53.52) 38.17,53.45 38.17,53.42 38.13,53.38 U7.99 ; v1(30.73,56.85) 30.63,56.85 30.58,56.9 30.08,56.9 29.75,56.57 U7.10
  Top w1: X1.9 v2(5.25,81) ; X1.15 v2(5.25,75)
  Bottom w0.25: 35.35,50.14 35.35,48.75 ; 35.35,50.14 34.4,50.14 ; 35.35,50.14 35.35,51.3
  Bottom w1: v1(4.76,12.99) 4.75,13 X1.77 ; v2(4,75) 4,77 ; 4,77 X1.14 ; 4,77 v1(4,78) 4,79 ; X1.9 v2(5.25,81) ; 4,79 v2(4,81) ; 4,79 X1.12 ; v1(4.76,14.99) 4.75,15 X1.75 ; v1(4.76,10.99) 4.75,11 X1.79 ; X1.15 v2(5.25,75)
  vias: v1(1.66,90.49) v1(2.76,90.43) v1(4.11,90.39) v1(5.21,90.54) v1(6.06,90.49) v1(6.16,80.04) v1(6.37,92.85) v1(6.38,10.04) v1(6.41,8.85) v1(6.37,7.61) v1(6.47,94.04) v1(6.5,91.63) v1(6.46,81.69) v1(6.46,75.89) v1(6.41,74.19) v1(6.47,12.37) v1(6.44,11.31) v1(6.42,6.49) v1(6.53,13.62) v1(7.21,90.54) v1(7.59,80.77) v1(7.58,75.99) v1(7.6,11.18) v1(7.59,9.93) v1(7.6,7.58) v1(7.61,6.33) v1(7.63,74.73) v1(7.65,12.37) v1(7.67,8.89) v1(7.73,93.96) v1(7.72,92.73) v1(7.72,91.63) v1(7.73,13.61) v1(8.76,76.07) v1(8.77,74.91) v1(8.76,13.58) v1(8.79,12.35) v1(8.75,11.14) v1(8.76,8.77) v1(8.8,7.7) v1(8.76,6.44) v1(8.83,94.12) v1(8.83,91.56) v1(8.82,90.43) v1(8.87,80.9) v1(8.93,92.92) v1(10,14.88) v1(10.01,6.33) v1(10.04,80.88) v1(10.1,79.61) v1(10.09,76.05) v1(10.03,74.76) v1(10.1,13.69) v1(10.03,12.47) v1(10.14,7.54) v1(10.51,72.04) v1(11.05,55.95) v1(11.18,76.05) v1(11.16,74.9) v1(11.21,67.99) v1(11.18,13.65) v1(11.19,11.21) v1(11.21,7.7) v1(11.18,6.49) v1(11.28,80.84) v1(11.28,79.66) v1(11.24,64.06) v1(11.24,52.08) v1(11.23,16.09) v1(11.29,14.73) v1(11.28,12.36) v1(11.3,8.87) v1(11.56,27.94) v1(11.8,60) v1(12.01,31.99) v1(12.21,23.94) v1(12.4,79.54) v1(12.37,76.05) v1(12.39,73.57) v1(12.35,52.12) v1(12.35,13.69) v1(12.37,12.45) v1(12.39,11.22) v1(12.35,7.69) v1(12.46,14.77) v1(12.43,10.07) v1(12.43,8.75) v1(12.48,6.52) v1(12.54,74.76) v1(12.52,15.97) v1(12.76,63.99) v1(13.57,76.09) v1(13.56,74.87) v1(13.51,19.69) v1(13.57,13.66) v1(13.55,8.05) v1(13.7,73.67) v1(13.66,72.42) v1(13.7,14.83) v1(13.66,12.52) v1(13.7,9.55) v1(13.62,6.47) v1(13.74,16.11) v1(13.8,10.6) v1(13.9,11.65) v1(14,7.25) v1(14.21,59.99) v1(14.5,8.65) v1(14.51,53.09) v1(14.75,73.6) v1(14.78,71.19) v1(14.76,6.46) v1(14.84,75.93) v1(14.84,74.77) v1(14.91,72.39) v1(14.83,15.94) v1(14.83,14.73) v1(14.9,7.55) v1(14.92,13.69) v1(14.95,12.35) v1(15.41,56.24) v1(15.95,75.95) v1(15.95,73.55) v1(15.96,72.38) v1(15.99,17.19) v1(15.98,12.34) v1(15.99,6.33) v1(16.07,74.85) v1(16.03,71.18) v1(16.03,69.97) v1(16.1,16.1) v1(16.09,14.89) v1(16.13,13.64) v1(16.36,41.29) v1(16.51,86.14) v1(16.55,7.3) v1(16.91,93.99) v1(16.96,41.94) v1(17.11,38.49) v1(17.05,17.45) v1(17.17,34.85) v1(17.15,28.1) v1(17.21,25.61) v1(17.16,13.7) v1(17.15,12.65) v1(17.23,93.12) v1(17.25,76.11) v1(17.28,74.92) v1(17.26,73.65) v1(17.26,72.45) v1(17.23,71.23) v1(17.23,70.09) v1(17.26,26.87) v1(17.27,24.43) v1(17.29,18.46) v1(17.22,6.48) v1(17.36,83.19) v1(17.34,68.87) v1(17.85,7.4) v1(18.24,39.56) v1(18.36,26.88) v1(18.38,25.58) v1(18.44,76.09) v1(18.46,73.55) v1(18.44,72.52) v1(18.5,71.3) v1(18.41,68.73) v1(18.49,35.89) v1(18.5,6.37) v1(18.61,87.39) v1(18.52,74.8) v1(18.51,70.06) v1(18.53,67.57) v1(18.55,60.55) v1(18.66,92.04) v1(19.05,7.4) v1(19.58,73.64) v1(19.6,67.61) v1(19.67,70.1) v1(19.65,68.73) v1(19.68,25.68) v1(19.63,6.47) v1(19.74,66.45) v1(20.25,7.25) v1(20.89,6.47) v1(21.09,37.47) v1(21.05,12.85) v1(21.45,7.35) v1(22,47.1) v1(21.98,18.38) v1(21.99,6.45) v1(22.04,67.58) v1(22.07,13.45) v1(22.65,7.3) v1(22.75,32.15) v1(23.21,66.34) v1(23.23,18.45) v1(23.3,6.45) v1(23.45,57.7) v1(23.61,70.49) v1(23.55,11.45) v1(23.91,76.24) v1(23.95,7.45) v1(24.39,18.49) v1(24.45,16.5) v1(24.43,6.48) v1(24.66,86.49) v1(24.96,73.29) v1(24.96,71.99) v1(25.56,81.04) v1(25.62,85.6) v1(25.69,18.33) v1(25.66,6.5) v1(25.76,84.39) v1(26.2,7.4) v1(26.46,93.69) v1(26.46,71.89) v1(26.79,6.39) v1(26.81,27.19) v1(26.83,18.47) v1(27.06,92.14) v1(27.26,67.14) v1(27.25,13.75) v1(27.71,88.84) v1(27.66,74.39) v1(27.81,93.12) v1(27.97,77.32) v1(27.99,32.89) v1(28.05,6.41) v1(28.15,51.2) v1(28.25,12.35) v1(28.41,70.19) v1(28.45,31.3) v1(28.71,93.94) v1(28.76,92.19) v1(29.19,35.2) v1(29.24,6.47) v1(29.32,77.26) v1(29.61,65.69) v1(29.85,69.95) v1(29.9,31.15) v1(30.05,72) v1(30.25,68.6) v1(30.38,77.14) v1(30.37,6.34) v1(31.11,64.24) v1(31.64,77.25) v1(31.63,67.67) v1(31.65,6.47) v1(32.44,28.7) v1(32.6,35) v1(32.71,6.09) v1(32.79,87.96) v1(32.88,77.25) v1(32.88,67.7) v1(33.06,19.84) v1(33.5,23.9) v1(33.61,21.29) v1(33.96,31.88) v1(33.91,6.09) v1(34.07,77.19) v1(34.03,74.77) v1(34.06,68.89) v1(34.04,30.52) v1(34.08,29.19) v1(34.13,67.71) v1(34.41,20.24) v1(34.76,89.84) v1(35,58.75) v1(35.17,77.17) v1(35.17,67.55) v1(35.17,31.55) v1(35.26,93.99) v1(35.22,74.87) v1(35.27,73.61) v1(35.28,68.81) v1(35.21,29.31) v1(35.26,6.09) v1(35.31,30.39) v1(35.51,80.99) v1(35.66,20.04) v1(36.36,94.1) v1(36.38,73.64) v1(36.37,72.48) v1(36.37,66.38) v1(36.49,74.79) v1(36.48,65.3) v1(36.49,64.1) v1(36.49,30.5) v1(36.53,67.59) v1(36.54,62.88) v1(36.51,6.09) v1(36.86,20.09) v1(36.96,93.19) v1(37.01,35.69) v1(37.06,60.39) v1(37.45,49.15) v1(37.57,73.61) v1(37.61,65.15) v1(37.66,92.09) v1(37.66,74.81) v1(37.68,72.5) v1(37.61,41.27) v1(37.71,6.09) v1(37.73,71.31) v1(37.9,35.69) v1(38.16,20.09) v1(38.38,93.17) v1(38.77,72.49) v1(38.77,32.87) v1(38.86,94.09) v1(38.88,73.58) v1(38.85,41.26) v1(38.93,78.44) v1(39.01,6.09) v1(39.36,71.59) v1(39.97,77.32) v1(39.98,27.99) v1(40.11,78.49) v1(40.1,29.19) v1(40.11,19.94) v1(40.04,6.5) v1(40.49,35.46) v1(40.46,18.89) v1(40.61,22.94) v1(40.71,26.79) v1(40.71,25.54) v1(40.66,24.14) v1(41.06,76.69) v1(41.06,29.59) v1(41.16,6.39) v1(41.26,71.64) v1(41.29,30.37) v1(41.36,21.84) v1(41.91,74.69) v1(42.22,77.89) v1(42.36,22.34) v1(42.5,6.43) v1(42.71,14.49) v1(42.96,29.49) v1(43.41,73.54) v1(43.58,18.47) v1(43.56,17.3) v1(43.69,77.13) v1(43.7,76.02) v1(43.74,78.37) v1(43.74,6.46) v1(43.96,72.74) v1(44.01,26.24) v1(44.11,27.49) v1(44.06,24.99) v1(44.11,23.79) v1(44.21,28.64) v1(44.81,77.31) v1(44.79,72.45) v1(44.78,27.95) v1(44.77,25.59) v1(44.83,78.48) v1(44.81,26.83) v1(44.88,24.51) v1(44.82,23.16) v1(44.94,75.99) v1(45.32,37.3) v1(45.56,6.09) v1(47.19,6.47) v1(48.38,68.86) v1(48.35,61.62) v1(48.37,54.44) v1(48.39,49.59) v1(48.41,39.98) v1(48.38,37.59) v1(48.35,32.76) v1(48.39,30.37) v1(48.37,18.5) v1(48.4,16.08) v1(48.47,77.16) v1(48.46,75.98) v1(48.44,74.88) v1(48.47,72.41) v1(48.5,65.32) v1(48.42,64.08) v1(48.41,62.86) v1(48.5,59.28) v1(48.46,58.01) v1(48.51,56.87) v1(48.48,55.71) v1(48.51,53.3) v1(48.47,52.11) v1(48.43,50.91) v1(48.45,41.27) v1(48.51,38.9) v1(48.46,34.01) v1(48.49,29.13) v1(48.5,28.09) v1(48.41,26.75) v1(48.41,25.64) v1(48.47,17.17) v1(48.42,14.81) v1(48.54,73.72) v1(48.55,71.3) v1(48.55,70) v1(48.51,66.34) v1(48.52,60.42) v1(48.53,24.36) v1(48.54,23.3) v1(49.58,77.26) v1(49.55,76.12) v1(49.58,68.77) v1(49.57,65.19) v1(49.6,62.89) v1(49.6,59.16) v1(49.57,58.12) v1(49.56,55.67) v1(49.58,49.72) v1(49.59,38.84) v1(49.59,34.01) v1(49.58,32.74) v1(49.58,18.45) v1(49.59,17.14) v1(49.67,74.8) v1(49.69,72.41) v1(49.68,71.22) v1(49.7,69.97) v1(49.62,63.93) v1(49.63,61.65) v1(49.63,60.47) v1(49.67,54.51) v1(49.65,53.19) v1(49.63,52.12) v1(49.69,41.21) v1(49.67,39.95) v1(49.7,37.7) v1(49.66,35.3) v1(49.62,28.07) v1(49.63,23.31) v1(49.64,14.83) v1(49.73,73.69) v1(49.71,66.44) v1(49.73,56.77) v1(49.74,50.85) v1(49.74,30.41) v1(49.73,29.23) v1(49.73,26.73) v1(49.72,25.59) v1(49.73,24.34) v1(49.71,19.53) v1(49.73,16) v1(50.87,8.78) v1(50.9,7.65) v1(50.81,6.51) v1(52.08,8.77) v1(52.03,7.58) v1(53.16,72.47) v1(53.19,71.25) v1(53.19,67.55) v1(53.16,66.37) v1(53.16,62.84) v1(53.15,61.68) v1(53.16,56.78) v1(53.17,55.68) v1(53.19,54.49) v1(53.19,49.55) v1(53.19,45.94) v1(53.19,43.6) v1(53.15,42.48) v1(53.2,39.95) v1(53.21,35.18) v1(53.18,32.91) v1(53.17,31.61) v1(53.19,29.15) v1(53.21,26.79) v1(53.2,22.01) v1(53.17,17.29) v1(53.2,8.89) v1(53.29,74.73) v1(53.29,73.68) v1(53.29,69.99) v1(53.28,68.85) v1(53.3,65.14) v1(53.22,64.05) v1(53.22,59.31) v1(53.31,53.16) v1(53.26,51.95) v1(53.24,50.85) v1(53.23,48.4) v1(53.25,47.29) v1(53.26,41.24) v1(53.28,38.8) v1(53.21,37.67) v1(53.22,36.45) v1(53.22,34.05) v1(53.28,30.41) v1(53.24,25.58) v1(53.23,24.47) v1(53.24,23.19) v1(53.26,20.81) v1(53.21,19.56) v1(53.27,18.52) v1(53.22,14.86) v1(53.25,7.61) v1(53.33,77.3) v1(53.31,75.95) v1(53.33,60.48) v1(53.33,58.12) v1(53.32,44.83) v1(53.33,28.05) v1(53.35,15.96) v1(53.33,13.65) v1(54.48,8.77) v1(54.51,7.56) v1(55.51,91.84) v1(55.57,8.84) v1(55.69,92.89) v1(55.75,7.63) v1(56.21,75.94) v1(56.21,70.34) v1(56.21,63.14) v1(56.16,10.09) v1(56.26,88.64) v1(56.26,82.59) v1(56.26,57.29) v1(56.26,43.04) v1(56.26,26.79) v1(56.26,18.19) v1(56.31,49.39) v1(56.31,34.99)
